# Altium PCB RV901-cnc-flipped.PcbDoc (part 1 of 4)
Units mil, origin at the board's own origin, x right, y up, seen from the top; angles counter-clockwise.
Board outline 5760 x 3629.92 mil, 4 copper layers (Top Layer, Layer 1, Layer 2, Bottom Layer), stack 72.18 mil thick; 387 components, 259 nets, 1192 pads, 558 vias.
Unrouted connection lines stored in the file: 53.
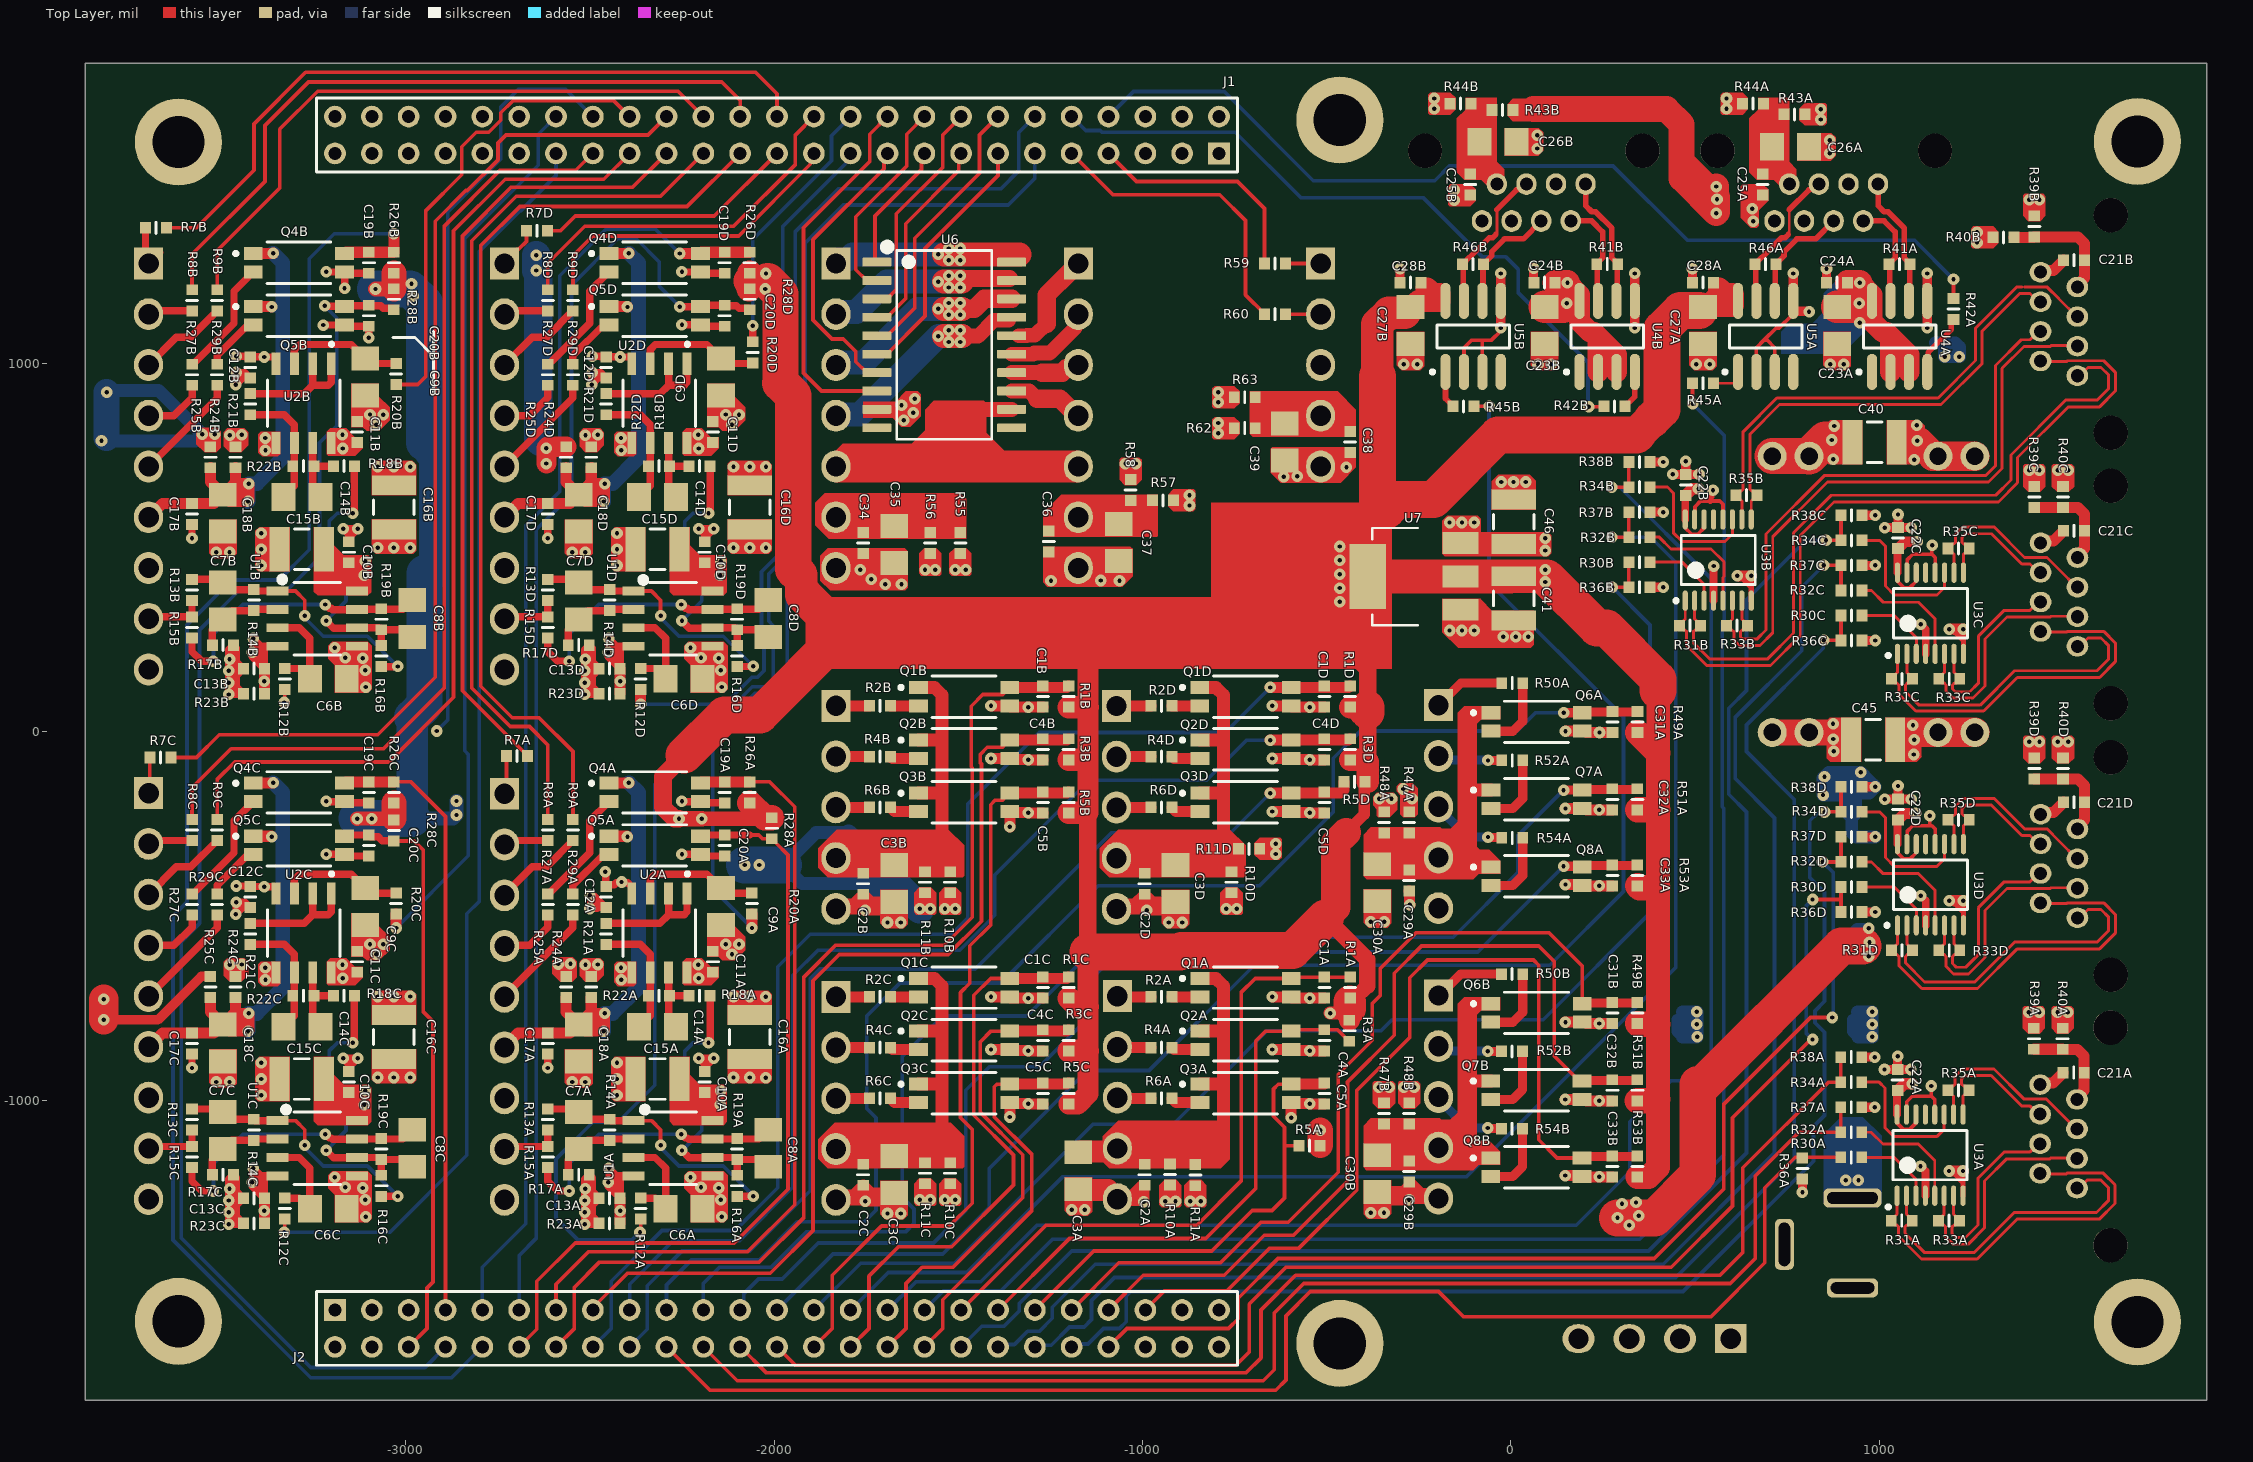
[diagram p0: Top Layer view]
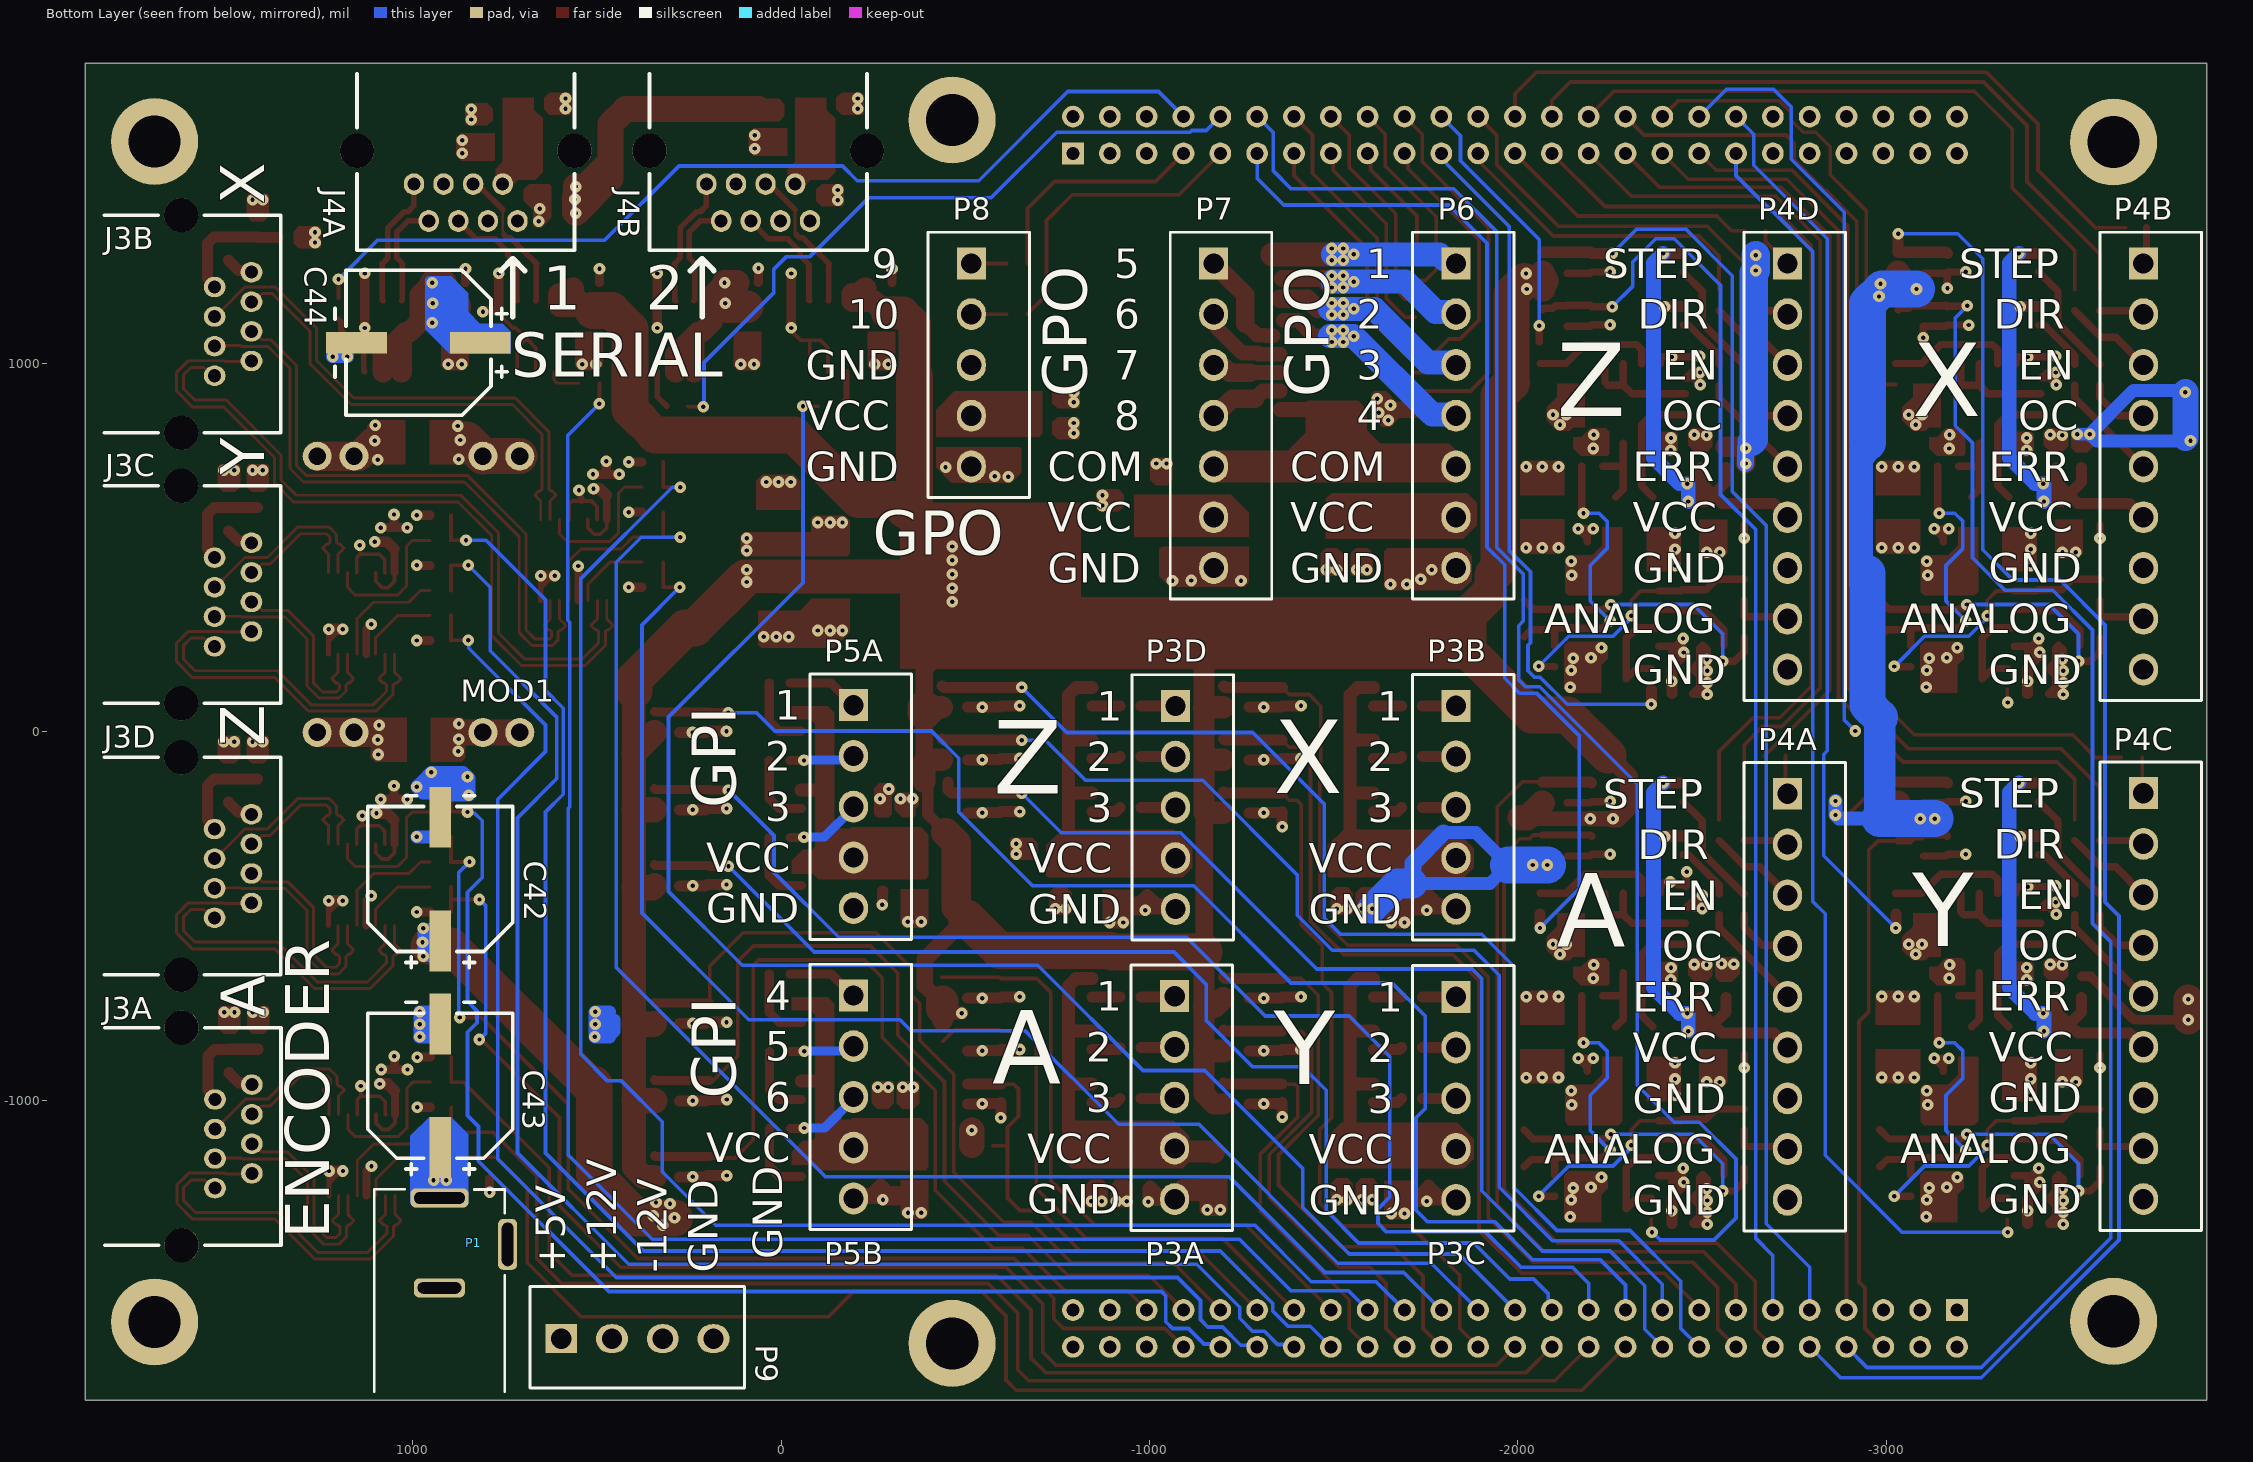
[diagram p1: Bottom Layer view, seen from below]
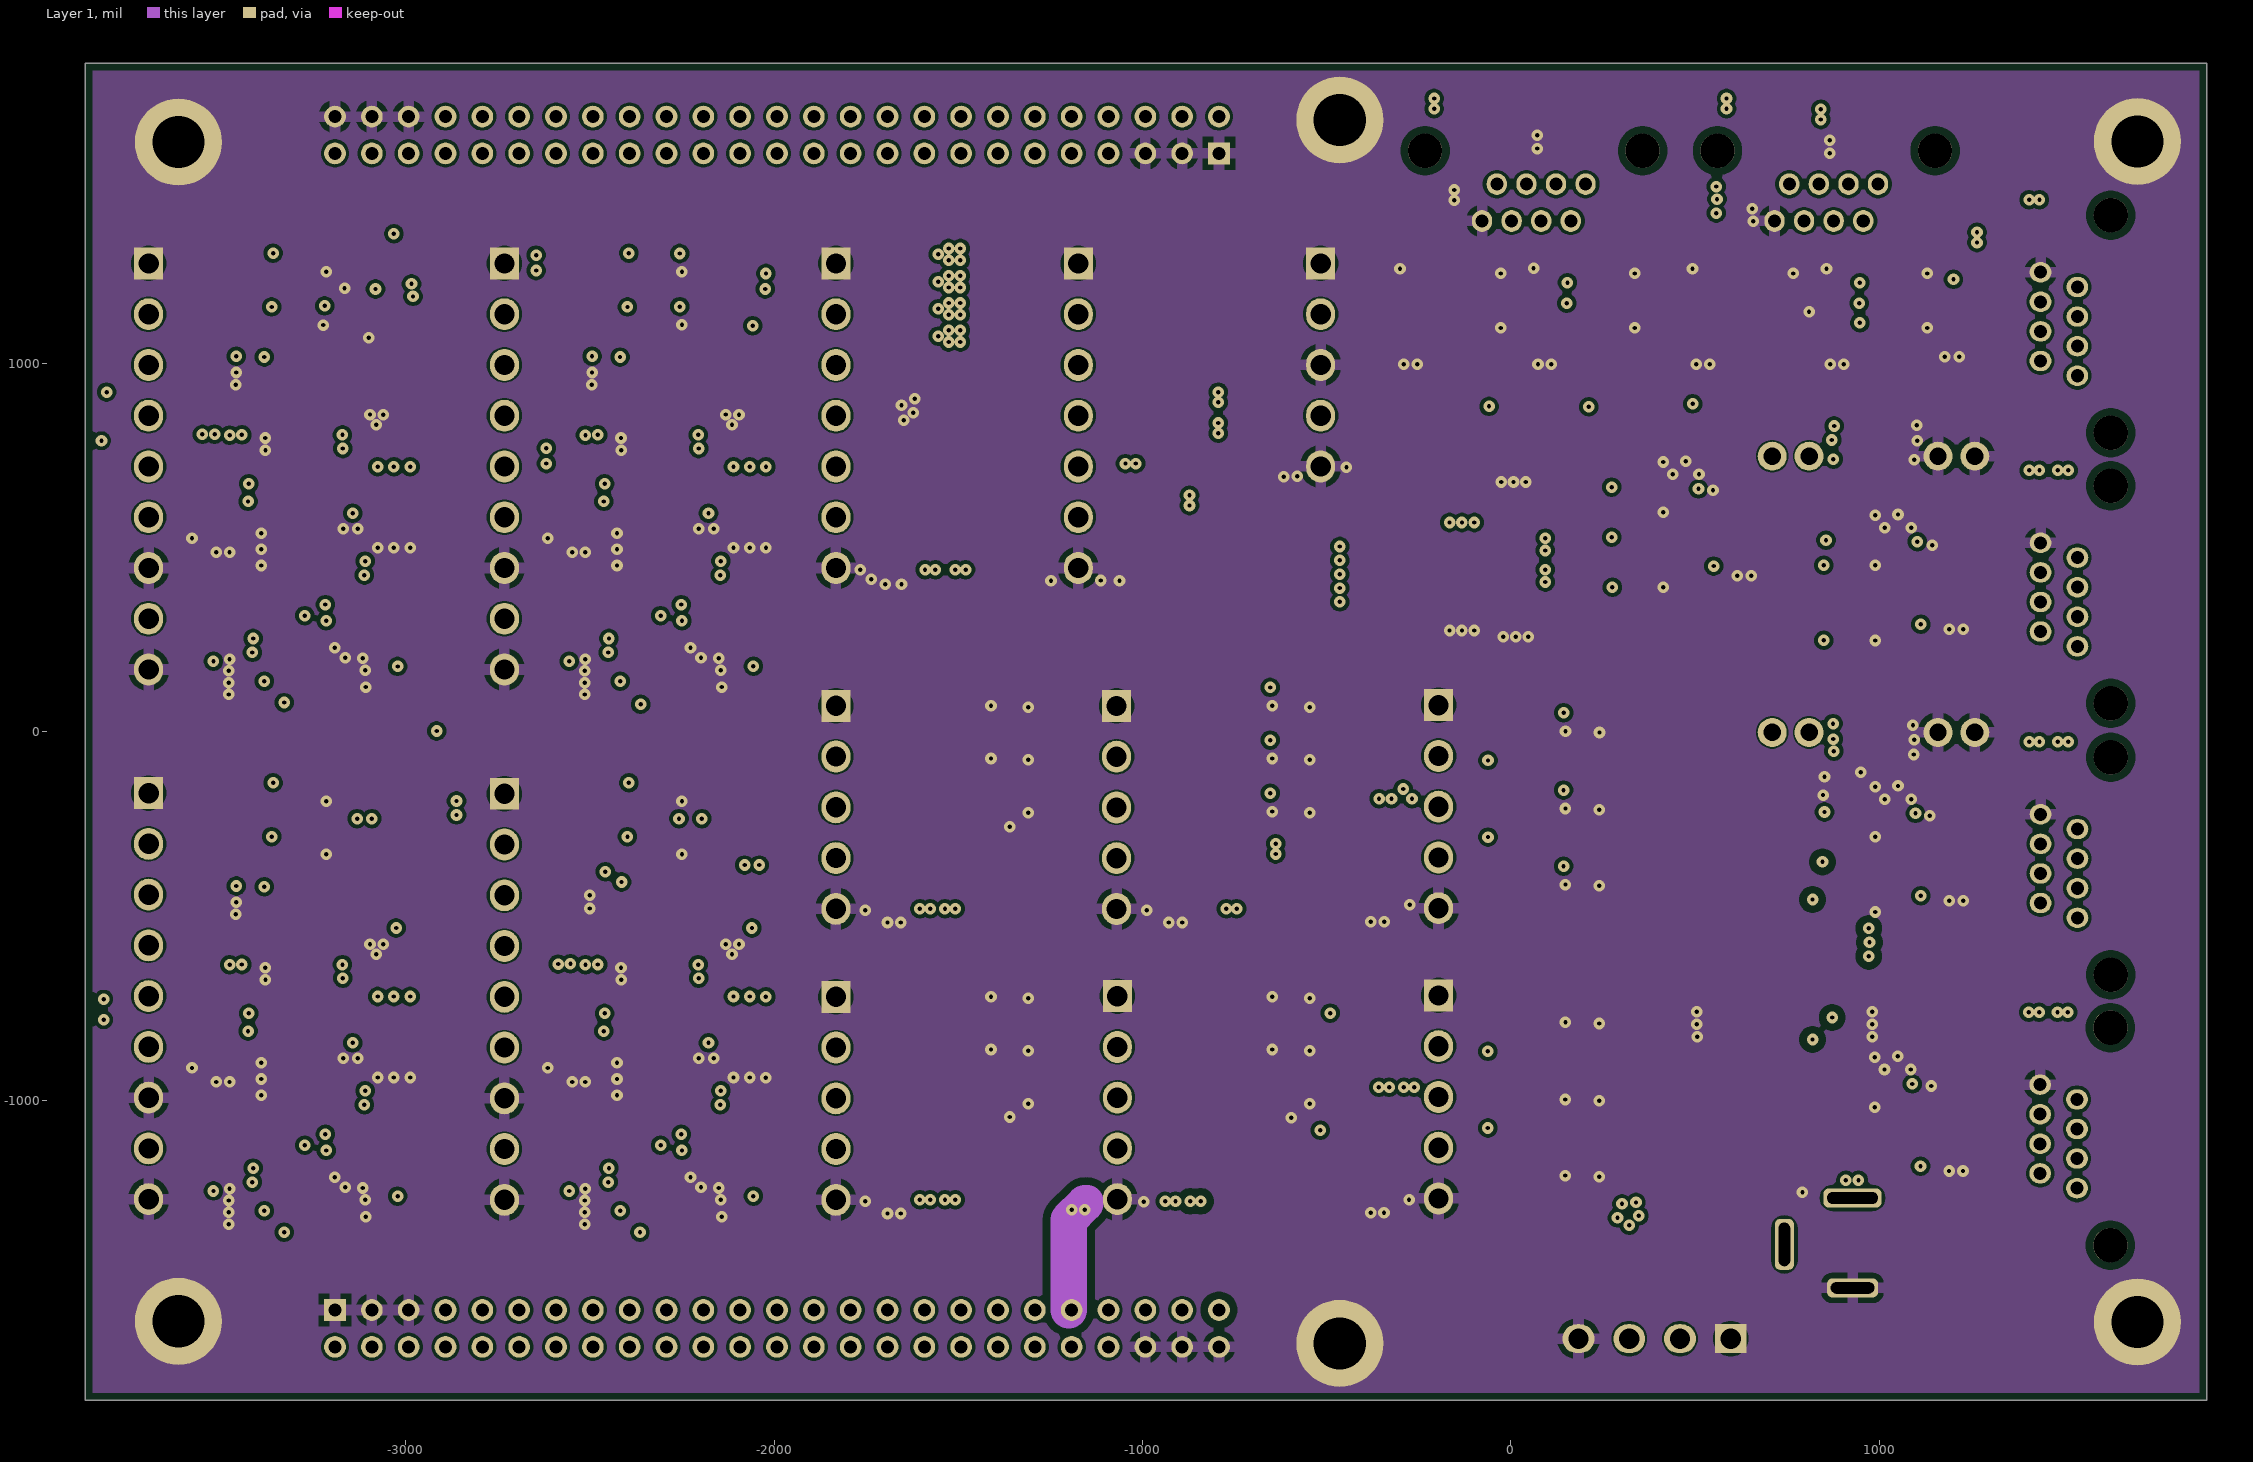
[diagram p2: Layer 1]
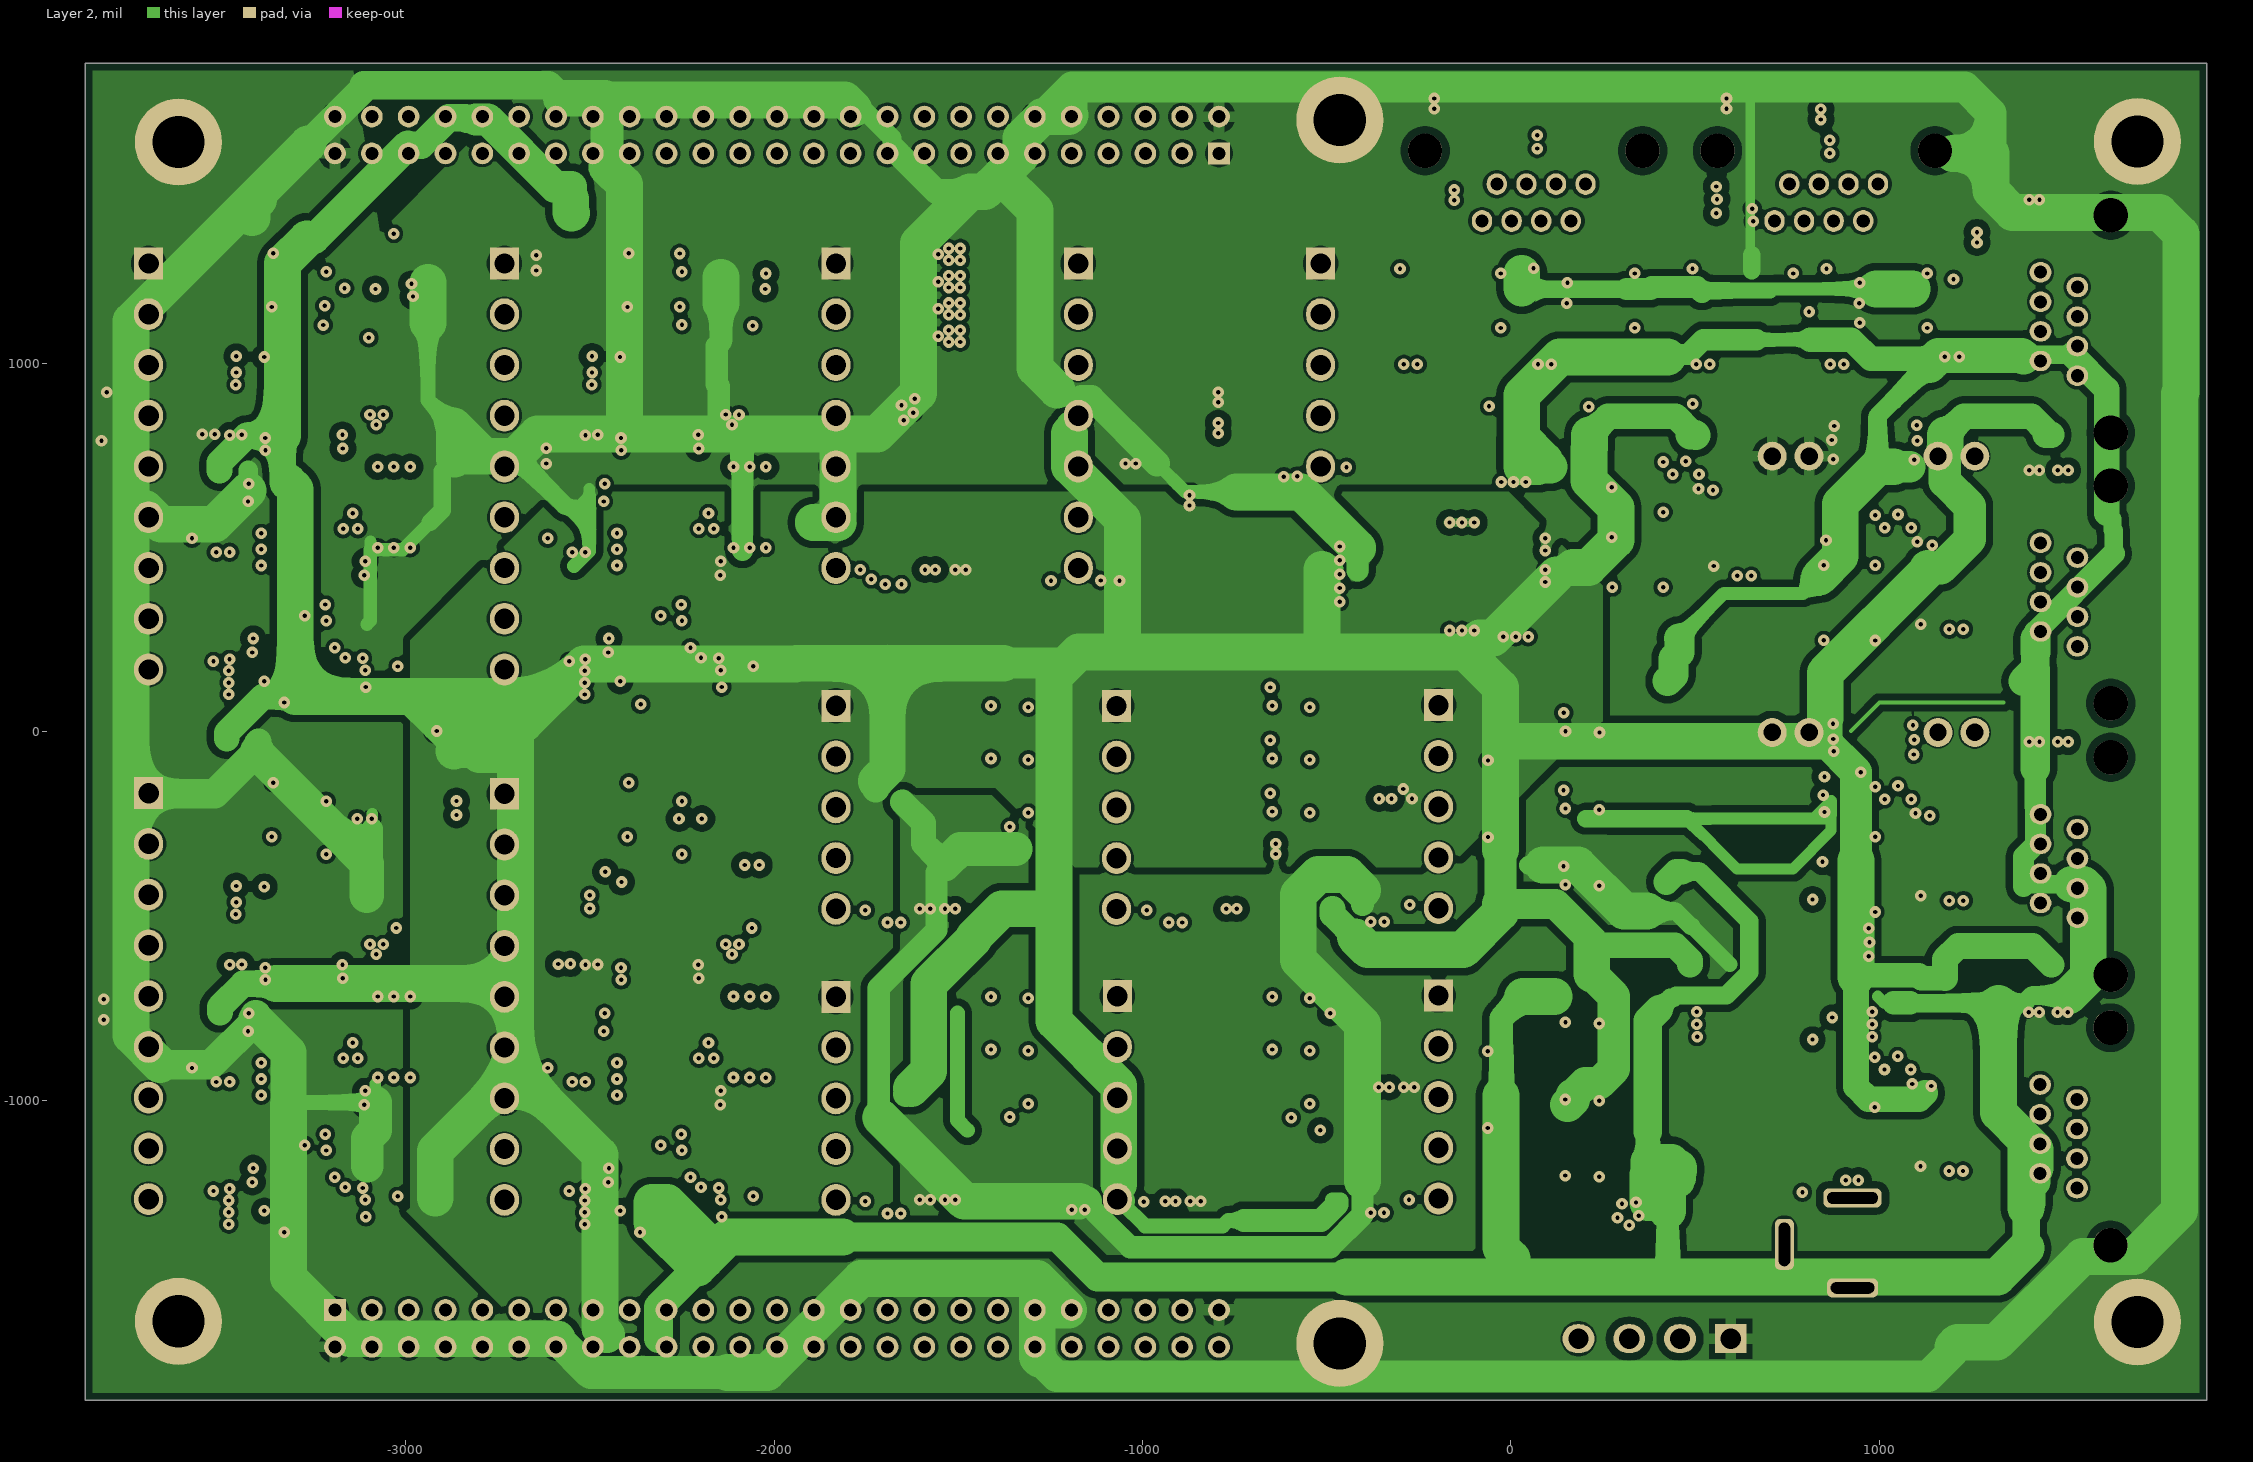
[diagram p3: Layer 2]
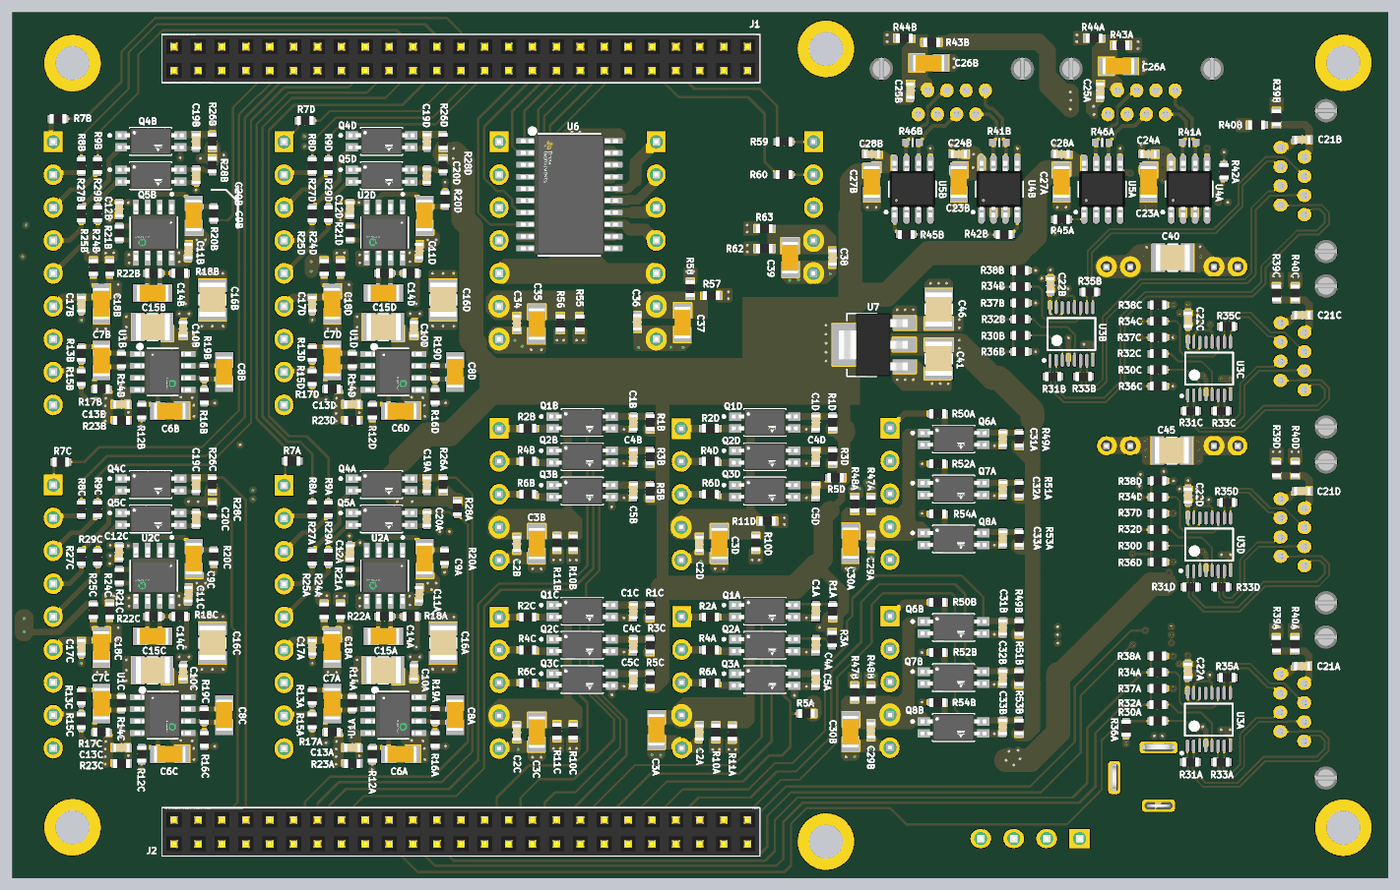
[diagram p7: 3D render of the assembled board from above, using the file's embedded part models]
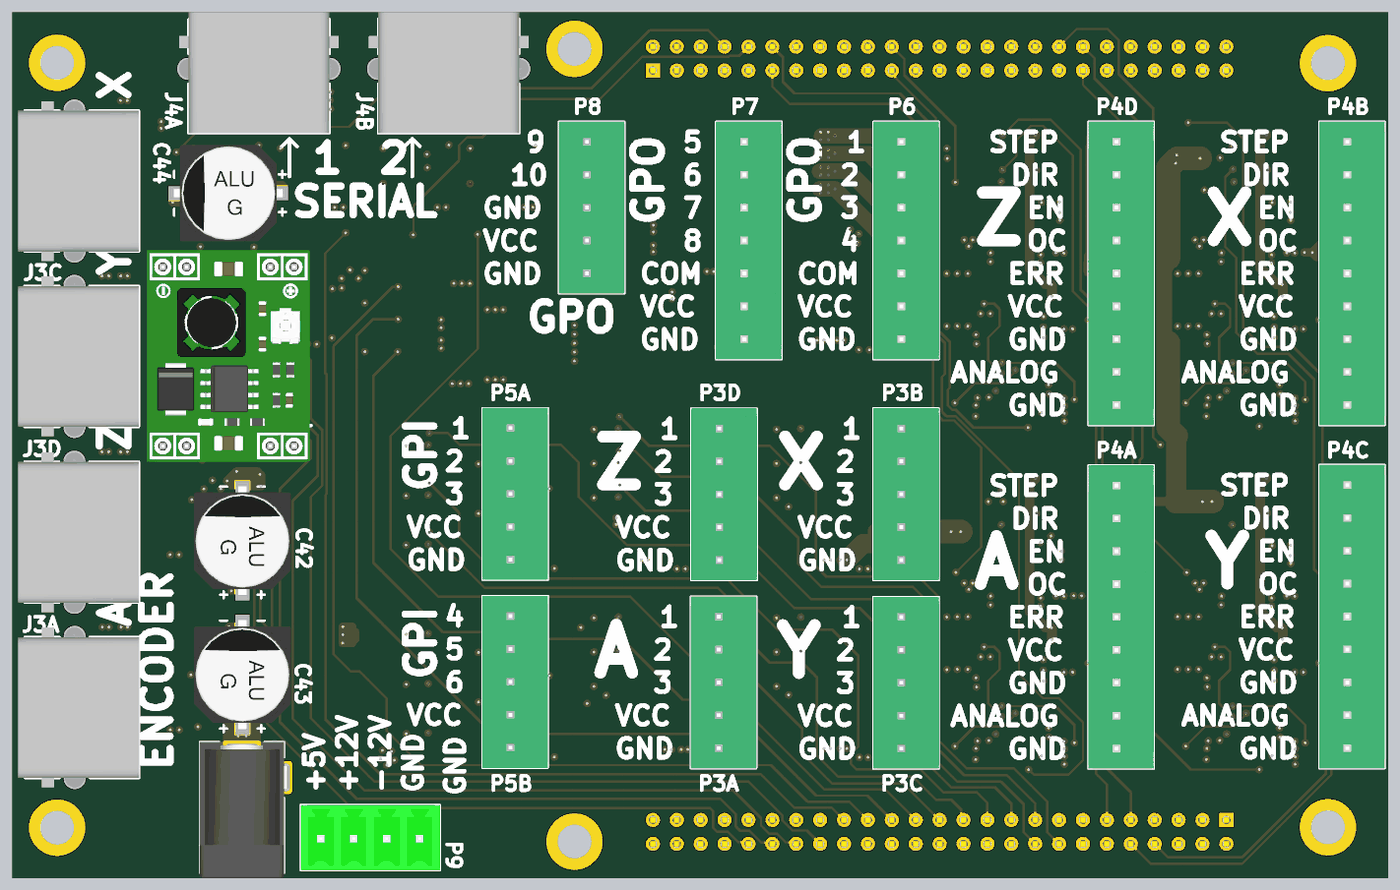
[diagram p8: 3D render of the assembled board from below, using the file's embedded part models]

## Layer stack, top to bottom
Top Solder: solder mask 0.4, Solder Resist, Dk 3.5
Top Layer: signal copper 1.4
Dielectric 2: prepreg 2.8, PP-006, Dk 4.1
Layer 1: signal copper 1.378
Dielectric 1: dielectric 61.0236, FR-4, Dk 4.8
Layer 2: signal copper 1.378
Dielectric 3: prepreg 2.8, PP-006, Dk 4.1
Bottom Layer: signal copper 1.4
Bottom Solder: solder mask 0.4, Solder Resist, Dk 3.5

## Board outline
-3870.24,-1814.96 1889.76,-1814.96 1889.76,1814.96 -3870.24,1814.96

## Design rules (kind name [scope] priority, off if disabled: settings)
BoardOutlineClearance [All] p1: gap=19.68 ignorepadtopadclearanceinfootprint=FALSE
Clearance Clearance_polygon [InPolygon] p1: gap=20 ignorepadtopadclearanceinfootprint=FALSE
Clearance [All] p2: gap=8 ignorepadtopadclearanceinfootprint=FALSE
ComponentClearance [All] p1: gap=30 collisioncheckmode=3 verticalgap=30 showdistances=FALSE
DiffPairsRouting [All] p1: maxlimit=10 minlimit=10 mostfreqgap=10 toplayer_minwidth=8 toplayer_maxwidth=15 toplayer_prefwidth=8 midlayer1_minwidth=15 midlayer1_maxwidth=15 midlayer1_prefwidth=15 midlayer2_minwidth=15 midlayer2_maxwidth=15 midlayer2_prefwidth=15 bottomlayer_minwidth=8 bottomlayer_maxwidth=15 bottomlayer_prefwidth=8 maxuncoupledlength=500
HoleSize [All] p1: absolutevalues=TRUE maxlimit=157.48 minlimit=11.81 maxpercent=80.000 minpercent=20.000
MinimumAnnularRing [All] p1: minimumring=8
MinimumSolderMaskSliver BQFN41 [HasFootprint('BQFN41_11x9')] p1: minsoldermaskwidth=0
MinimumSolderMaskSliver [All] p2: minsoldermaskwidth=3.8
PolygonConnect VIA [IsVia] p1: connectstyle=Direct reliefconductorwidth=10 reliefentries=4 polygonreliefangle="90 Angle" airgapwidth=10
PolygonConnect [All] p2: connectstyle=Relief reliefconductorwidth=30 reliefentries=4 polygonreliefangle="90 Angle" airgapwidth=15
RoomDefinition ENDSTOP_X [InComponentClass('ENDSTOP_X')] p1: confinementstyle=ConfineIn formatcopy=TRUE lockcomponents=FALSE outline -1146.03,-601.18 -2024.03,-601.18 -2024.03,190.82 -1146.03,190.82
RoomDefinition ENDSTOP_Z [InComponentClass('ENDSTOP_Z')] p2: confinementstyle=ConfineIn formatcopy=TRUE lockcomponents=FALSE outline -344.03,-601.18 -1262.03,-601.18 -1262.03,190.82 -344.03,190.82
RoomDefinition ENC_X [InComponentClass('ENC_X')] p3: confinementstyle=ConfineIn formatcopy=TRUE lockcomponents=FALSE outline 1897.97,234.82 267.97,234.82 267.97,1494.82 1897.97,1494.82
RoomDefinition ENC_Y [InComponentClass('ENC_Y')] p4: confinementstyle=ConfineIn formatcopy=TRUE lockcomponents=FALSE outline 1897.97,-15.18 843.97,-15.18 843.97,760.82 1897.97,760.82
RoomDefinition ENC_A [InComponentClass('ENC_A')] p5: confinementstyle=ConfineIn formatcopy=TRUE lockcomponents=FALSE outline 1897.97,-1487.18 737.97,-1487.18 737.97,-711.18 1897.97,-711.18
RoomDefinition AXIS_X [InComponentClass('AXIS_X')] p6: confinementstyle=ConfineIn formatcopy=TRUE lockcomponents=FALSE outline -2902.03,48.82 -3890.03,48.82 -3890.03,1420.82 -2902.03,1420.82
RoomDefinition AXIS_A [InComponentClass('AXIS_A')] p7: confinementstyle=ConfineIn formatcopy=TRUE lockcomponents=FALSE outline -1936.03,-1391.18 -2924.03,-1391.18 -2924.03,-13.18 -1936.03,-13.18
RoomDefinition AXIS_Y [InComponentClass('AXIS_Y')] p8: confinementstyle=ConfineIn formatcopy=TRUE lockcomponents=FALSE outline -2902.03,-1389.18 -3890.03,-1389.18 -3890.03,-17.18 -2902.03,-17.18
RoomDefinition GPO [InComponentClass('GPO')] p9: confinementstyle=ConfineIn formatcopy=TRUE lockcomponents=FALSE outline -382.06,248.82 -1994.06,248.82 -1994.06,1390 -382.06,1390
RoomDefinition ENDSTOP_Y [InComponentClass('ENDSTOP_Y')] p10: confinementstyle=ConfineIn formatcopy=TRUE lockcomponents=FALSE outline -1146.03,-1391.18 -2024.03,-1391.18 -2024.03,-599.18 -1146.03,-599.18
RoomDefinition ENDSTOP_A [InComponentClass('ENDSTOP_A')] p11: confinementstyle=ConfineIn formatcopy=TRUE lockcomponents=FALSE outline -382.03,-1389.18 -1260.03,-1389.18 -1260.03,-599.18 -382.03,-599.18
RoomDefinition GPI_2 [InComponentClass('GPI_2')] p12: confinementstyle=ConfineIn formatcopy=TRUE lockcomponents=FALSE outline 397.97,-1387.18 -442.03,-1387.18 -442.03,-597.18 397.97,-597.18
RoomDefinition SERIAL_1 [InComponentClass('SERIAL_1')] p13: confinementstyle=ConfineIn formatcopy=TRUE lockcomponents=FALSE outline 1255.97,874.82 441.97,874.82 441.97,1846.82 1255.97,1846.82
RoomDefinition SERIAL_2 [InComponentClass('SERIAL_2')] p14: confinementstyle=ConfineIn formatcopy=TRUE lockcomponents=FALSE outline 449.97,830.82 -352.03,830.82 -352.03,1846.82 449.97,1846.82
RoomDefinition GPI_1 [InComponentClass('GPI_1')] p15: confinementstyle=ConfineIn formatcopy=TRUE lockcomponents=FALSE outline 397.97,-599.18 -442.03,-599.18 -442.03,190.82 397.97,190.82
RoomDefinition ENC_Z [InComponentClass('ENC_Z')] p16: confinementstyle=ConfineIn formatcopy=TRUE lockcomponents=FALSE outline 1897.97,-753.18 843.97,-753.18 843.97,22.82 1897.97,22.82
RoomDefinition AXIS_Z [InComponentClass('AXIS_Z')] p17: confinementstyle=ConfineIn formatcopy=TRUE lockcomponents=FALSE outline -1936.03,48.82 -2924.03,48.82 -2924.03,1412.82 -1936.03,1412.82
RoutingVias [All] p1: holewidth=11.81 width=31.5 viastyle="Through Hole" minholewidth=11.81 minwidth=31.5 maxholewidth=11.81 maxwidth=31.5
SilkToSilkClearance [All] p1: silktosilkclearance=1
SilkToSolderMaskClearance [IsPad] p1: minsilkscreentomaskgap=0.3 clearancetoexposedcopper=FALSE
SolderMaskExpansion [All] p1: expansion=4 istentingtop=FALSE
SupplyNets "Schematic Supply Nets_4" [InNet('-12V')] p1: voltage=0.000
SupplyNets "Schematic Supply Nets" [InNet('+12V')] p2: voltage=0.000
SupplyNets "Schematic Supply Nets_3" [InNet('GND')] p3: voltage=0.000
SupplyNets "Schematic Supply Nets_2" [InNet('+5V')] p4: voltage=0.000
SupplyNets "Schematic Supply Nets_1" [InNet('+3.3V')] p5: voltage=0.000
Width [All] p1: maxlimit=100 minlimit=7 preferedwidth=32 toplayer_prefwidth=10 midlayer1_minwidth=10 midlayer2_minwidth=10 bottomlayer_prefwidth=10 minimp=50.000000 maximp=50.000000 favimp=50.000000